# Altium PCB Item.PcbDoc (part 2 of 2)
Units mm, origin at the board's own origin, x right, y up, seen from the top; angles counter-clockwise.
Board outline 56 x 56 mm, 2 copper layers (Top Layer, Bottom Layer); 140 components, 43 nets, 676 pads, 468 vias.
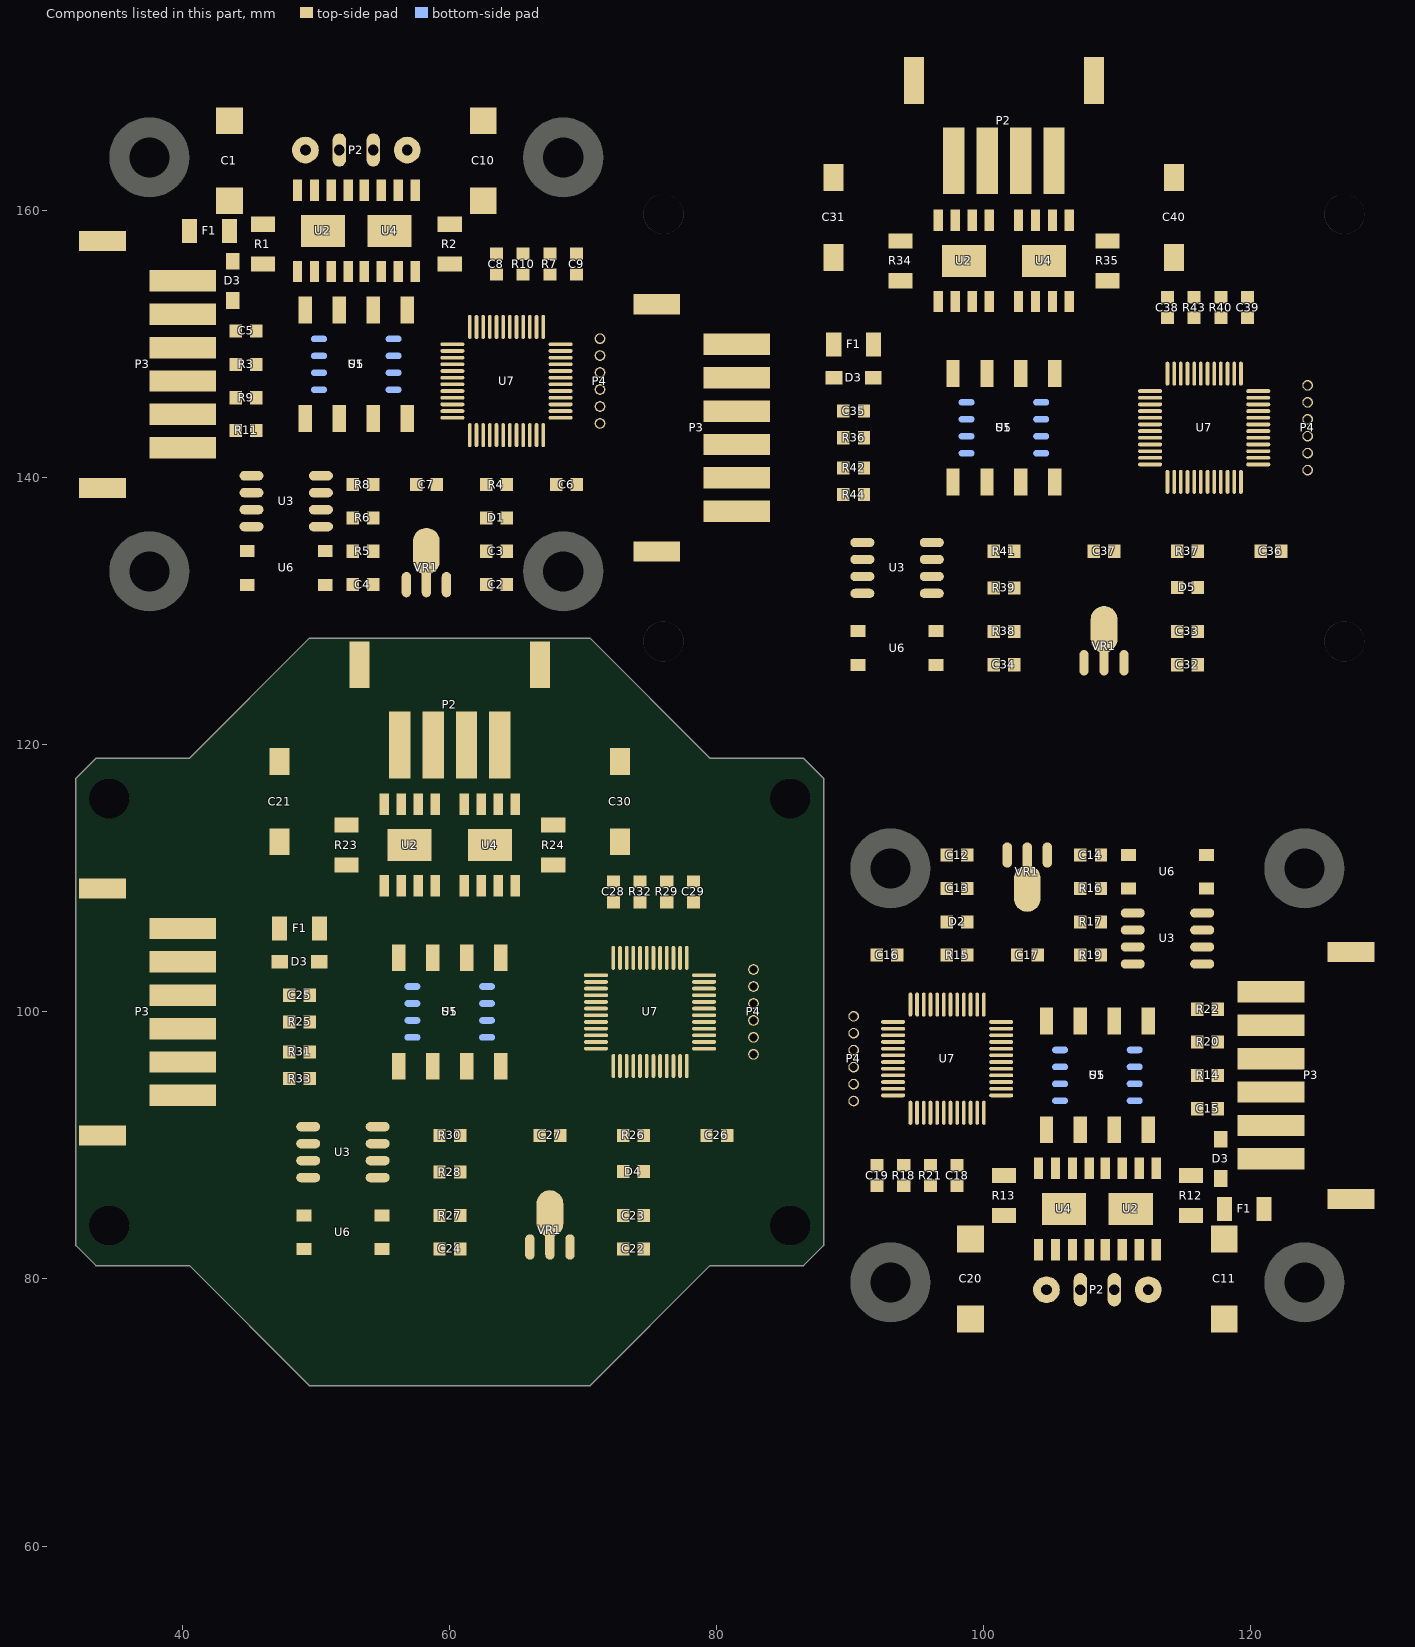
[diagram p2: the components of this part, seen from the top]

## Via types
v1: diameter 0.6, hole 0.3, Top Layer to Bottom Layer, 288 vias
v2: diameter 0.8, hole 0.5, Top Layer to Bottom Layer, 72 vias
v3: diameter 0.5, hole 0.3, Top Layer to Bottom Layer, 60 vias
v4: diameter 0.8, hole 0.4, Top Layer to Bottom Layer, 48 vias

## Nets (pads, with @x,y where several pads share a name; then routed paths per layer and width w, separated by ;. In a path a pad name is that pad's centre, name@x,y a point inside that pad or via, vN(x,y) a via of type N, cw(c..) or ccw(c..) an arc to the next point about the centre after c; other vN are vias at no path point) (continued)
pads on no net: C1.1 C1.2 C2.1 C2.2 C3.1 C3.2 C4.1 C4.2 C5.1 C5.2 C6.1 C6.2 C7.1 C7.2 C8.1 C8.2 C9.1 C9.2 C10.1 C10.2 C11.1 C11.2 C12.1 C12.2 C13.1 C13.2 C14.1 C14.2 C15.1 C15.2 C16.1 C16.2 C17.1 C17.2 C18.1 C18.2 C19.1 C19.2 C20.1 C20.2 C31.1 C31.2 C32.1 C32.2 C33.1 C33.2 C34.1 C34.2 C35.1 C35.2 C36.1 C36.2 C37.1 C37.2 C38.1 C38.2 C39.1 C39.2 C40.1 C40.2 D1.A D1.K D2.A D2.K D3.1@43.75,153.275 D3.1@88.775,147.5 D3.1@117.75,90.475 D3.2@43.75,156.225 D3.2@91.725,147.5 D3.2@117.75,87.525 D5.A D5.K F1.1@40.51,158.5 F1.1@88.76,150 F1.1@120.99,85.25 F1.2@43.49,158.5 F1.2@91.74,150 F1.2@118.01,85.25 P2.1@56.81,164.55 P2.1@97.75,163.75 P2.1@104.69,79.2 P2.2@54.27,164.55 P2.2@100.25,163.75 P2.2@107.23,79.2 P2.3@51.73,164.55 P2.3@102.75,163.75 P2.3@109.77,79.2 P2.4@49.19,164.55 P2.4@105.25,163.75 P2.4@112.31,79.2 P2.@94.75,169.75 P2.@108.25,169.75 P3. P3.1@40,154.75 P3.1@81.5,150 P3.1@121.5,89 P3.2@40,152.25 P3.2@81.5,147.5 P3.2@121.5,91.5 P3.3@40,149.75 P3.3@81.5,145 P3.3@121.5,94 P3.4@40,147.25 P3.4@81.5,142.5 P3.4@121.5,96.5 P3.5@40,144.75 P3.5@81.5,140 P3.5@121.5,99 P3.6@40,142.25 P3.6@81.5,137.5 P3.6@121.5,101.5 P4.1@71.25,150.425 P4.1@90.25,93.325 P4.1@124.25,146.925 P4.2@71.25,149.155 P4.2@90.25,94.595 P4.2@124.25,145.655 P4.3@71.25,147.885 P4.3@90.25,95.865 P4.3@124.25,144.385 P4.4@71.25,146.615 P4.4@90.25,97.135 P4.4@124.25,143.115 P4.5@71.25,145.345 P4.5@90.25,98.405 P4.5@124.25,141.845 P4.6@71.25,144.075 P4.6@90.25,99.675 P4.6@124.25,140.575 R1.1 R1.2 R2.1 R2.2 R3.1 R3.2 R4.1 R4.2 R5.1 R5.2 R6.1 R6.2 R7.1 R7.2 R8.1 R8.2 R9.1 R9.2 R10.1 R10.2 R11.1 R11.2 R12.1 R12.2 R13.1 R13.2 R14.1 R14.2 R15.1 R15.2 R16.1 R16.2 R17.1 R17.2 R18.1 R18.2 R19.1 R19.2 R20.1 R20.2 R21.1 R21.2 R22.1 R22.2 R34.1 R34.2 R35.1 R35.2 R36.1 R36.2 R37.1 R37.2 R38.1 R38.2 R39.1 R39.2 R40.1 R40.2 R41.1 R41.2 R42.1 R42.2 R43.1 R43.2 R44.1 R44.2 S1.1@49.19,144.436 S1.1@97.69,139.686 S1.1@112.31,99.314 S1.2@49.19,152.564 S1.2@97.69,147.814 S1.2@112.31,91.186 S1.3@51.73,144.436 S1.3@100.23,139.686 S1.3@109.77,99.314 S1.4@51.73,152.564 S1.4@100.23,147.814 S1.4@109.77,91.186 S1.5@54.27,144.436 S1.5@102.77,139.686 S1.5@107.23,99.314 S1.6@54.27,152.564 S1.6@102.77,147.814 S1.6@107.23,91.186 S1.7@56.81,144.436 S1.7@104.69,99.314 S1.7@105.31,139.686 S1.8@56.81,152.564 S1.8@104.69,91.186 S1.8@105.31,147.814 U2.1@48.595,155.452 U2.1@96.595,153.202 U2.1@112.905,88.298 U2.2@49.865,155.452 U2.2@97.865,153.202 U2.2@111.635,88.298 U2.3@51.135,155.452 U2.3@99.135,153.202 U2.3@110.365,88.298 U2.4@52.405,155.452 U2.4@100.405,153.202 U2.4@109.095,88.298 U2.5@52.405,161.548 U2.5@100.405,159.298 U2.5@109.095,82.202 U2.6@51.135,161.548 U2.6@99.135,159.298 U2.6@110.365,82.202 U2.7@49.865,161.548 U2.7@97.865,159.298 U2.7@111.635,82.202 U2.8@48.595,161.548 U2.8@96.595,159.298 U2.8@112.905,82.202 U2.9@50.5,158.495 U2.9@98.5,156.245 U2.9@111,85.255 U3.1@45.15,140.155 U3.1@90.9,135.155 U3.1@116.35,103.595 U3.2@45.15,138.885 U3.2@90.9,133.885 U3.2@116.35,104.865 U3.3@45.15,137.615 U3.3@90.9,132.615 U3.3@116.35,106.135 U3.4@45.15,136.345 U3.4@90.9,131.345 U3.4@116.35,107.405 U3.5@50.35,136.345 U3.5@96.1,131.345 U3.5@111.15,107.405 U3.6@50.35,137.615 U3.6@96.1,132.615 U3.6@111.15,106.135 U3.7@50.35,138.885 U3.7@96.1,133.885 U3.7@111.15,104.865 U3.8@50.35,140.155 U3.8@96.1,135.155 U3.8@111.15,103.595 U4.1@53.595,155.452 U4.1@102.595,153.202 U4.1@107.905,88.298 U4.2@54.865,155.452 U4.2@103.865,153.202 U4.2@106.635,88.298 U4.3@56.135,155.452 U4.3@105.135,153.202 U4.3@105.365,88.298 U4.4@57.405,155.452 U4.4@104.095,88.298 U4.4@106.405,153.202 U4.5@57.405,161.548 U4.5@104.095,82.202 U4.5@106.405,159.298 U4.6@56.135,161.548 U4.6@105.135,159.298 U4.6@105.365,82.202 U4.7@54.865,161.548 U4.7@103.865,159.298 U4.7@106.635,82.202 U4.8@53.595,161.548 U4.8@102.595,159.298 U4.8@107.905,82.202 U4.9@55.5,158.495 U4.9@104.5,156.245 U4.9@106,85.255 U5.1@50.206,146.595 U5.1@98.706,141.845 U5.1@111.294,97.155 U5.2@50.206,147.865 U5.2@98.706,143.115 U5.2@111.294,95.885 U5.3 U5.4@50.206,150.405 U5.4@98.706,145.655 U5.4@111.294,93.345 U5.5@55.794,150.405 U5.5@104.294,145.655 U5.5@105.706,93.345 U5.6@55.794,149.135 U5.6@104.294,144.385 U5.6@105.706,94.615 U5.7@55.794,147.865 U5.7@104.294,143.115 U5.7@105.706,95.885 U5.8@55.794,146.595 U5.8@104.294,141.845 U5.8@105.706,97.155 U6.1@44.829,134.52 U6.1@90.579,128.52 U6.1@116.671,109.23 U6.2@44.829,131.98 U6.2@90.579,125.98 U6.2@116.671,111.77 U6.3@50.671,131.98 U6.3@96.421,125.98 U6.3@110.829,111.77 U6.4@50.671,134.52 U6.4@96.421,128.52 U6.4@110.829,109.23 U7.1@60.2,150 U7.1@101.3,93.75 U7.1@112.45,146.5 U7.2 U7.3 U7.4 U7.5 U7.6 U7.7@60.2,147 U7.7@101.3,96.75 U7.7@112.45,143.5 U7.8@60.2,146.5 U7.8@101.3,97.25 U7.8@112.45,143 U7.9@60.2,146 U7.9@101.3,97.75 U7.9@112.45,142.5 U7.10@60.2,145.5 U7.10@101.3,98.25 U7.10@112.45,142 U7.11@60.2,145 U7.11@101.3,98.75 U7.11@112.45,141.5 U7.12@60.2,144.5 U7.12@101.3,99.25 U7.12@112.45,141 U7.13@61.5,143.2 U7.13@100,100.55 U7.13@113.75,139.7 U7.14@62,143.2 U7.14@99.5,100.55 U7.14@114.25,139.7 U7.15@62.5,143.2 U7.15@99,100.55 U7.15@114.75,139.7 U7.16@63,143.2 U7.16@98.5,100.55 U7.16@115.25,139.7 U7.17@63.5,143.2 U7.17@98,100.55 U7.17@115.75,139.7 U7.18@64,143.2 U7.18@97.5,100.55 U7.18@116.25,139.7 U7.19@64.5,143.2 U7.19@97,100.55 U7.19@116.75,139.7 U7.20@65,143.2 U7.20@96.5,100.55 U7.20@117.25,139.7 U7.21 U7.22@66,143.2 U7.22@95.5,100.55 U7.22@118.25,139.7 U7.23@66.5,143.2 U7.23@95,100.55 U7.23@118.75,139.7 U7.24@67,143.2 U7.24@94.5,100.55 U7.24@119.25,139.7 U7.25 U7.26 U7.27 U7.28 U7.29 U7.30@68.3,147 U7.30@93.2,96.75 U7.30@120.55,143.5 U7.31@68.3,147.5 U7.31@93.2,96.25 U7.31@120.55,144 U7.32 U7.33@68.3,148.5 U7.33@93.2,95.25 U7.33@120.55,145 U7.34@68.3,149 U7.34@93.2,94.75 U7.34@120.55,145.5 U7.35@68.3,149.5 U7.35@93.2,94.25 U7.35@120.55,146 U7.36@68.3,150 U7.36@93.2,93.75 U7.36@120.55,146.5 U7.37@67,151.3 U7.37@94.5,92.45 U7.37@119.25,147.8 U7.38 U7.39 U7.40@65.5,151.3 U7.40@96,92.45 U7.40@117.75,147.8 U7.41@65,151.3 U7.41@96.5,92.45 U7.41@117.25,147.8 U7.42@64.5,151.3 U7.42@97,92.45 U7.42@116.75,147.8 U7.43@64,151.3 U7.43@97.5,92.45 U7.43@116.25,147.8 U7.44@63.5,151.3 U7.44@98,92.45 U7.44@115.75,147.8 U7.45@63,151.3 U7.45@98.5,92.45 U7.45@115.25,147.8 U7.46@62.5,151.3 U7.46@99,92.45 U7.46@114.75,147.8 U7.47@62,151.3 U7.47@99.5,92.45 U7.47@114.25,147.8 U7.48@61.5,151.3 U7.48@100,92.45 U7.48@113.75,147.8 VR1.1@56.75,132 VR1.1@104.75,111.75 VR1.1@107.5,126.15 VR1.2@58.25,132.1 VR1.2@58.25,134.5 VR1.2@103.25,109.25 VR1.2@103.25,111.65 VR1.2@109,126.25 VR1.2@109,128.65 VR1.3@59.75,132 VR1.3@101.75,111.75 VR1.3@110.5,126.15
copper on no net: | length 2099.3
  Top Layer w0.2: 51.135,155.452 51.135,154.165 51.35,153.95 57.3,153.95 58.25,153 62.75,153 63,152.75 63,151.3 ; 54.865,155.452 54.865,154.485 55.05,154.3 57.95,154.3 58.75,153.5 63.05,153.5 64,152.55 64,151.3 ; v3(61.75,145) 62.5,144.25 62.5,143.2 ; v3(62.5,145) 63,144.5 63,143.2 ; v3(63.25,145) 63.5,144.75 63.5,143.2 ; 97.5,92.45 97.5,91.2 98.45,90.25 102.75,90.25 103.55,89.45 106.45,89.45 106.635,89.265 106.635,88.298 ; 98,100.55 98,99 v3(98.25,98.75) ; 98.5,92.45 98.5,91 98.75,90.75 103.25,90.75 104.2,89.8 110.15,89.8 110.365,89.585 110.365,88.298 ; 98.5,100.55 98.5,99.25 v3(99,98.75) ; 99,100.55 99,99.5 v3(99.75,98.75) ; v3(114,141.5) 114.75,140.75 114.75,139.7 ; v3(114.75,141.5) 115.25,141 115.25,139.7 ; v3(115.5,141.5) 115.75,141.25 115.75,139.7
  Top Layer w0.25: 47.55,135.5 51.2,135.5 52.61,136.91 52.61,137 ; v1(49,146.6) 48.15,145.75 48.15,142.9 49.2,141.85 61.65,141.85 62,142.2 62,143.2 ; v1(49,147.85) 49.6,147.85 50.1,147.35 50.1,146.4 50.5,146 60.2,146 61.65,146 62,146.35 62,149.5 61.5,150 ; 49.19,144.436 49.19,143.06 50,142.25 59.5,142.25 60.45,143.2 61.5,143.2 ; 50.35,137.615 51.385,137.615 51.385,137.635 51.8,138.05 54.25,138.05 ; 50.35,138.885 51.365,138.885 51.8,138.45 60,138.45 60.25,138.7 60.25,140.65 61.05,141.45 63.425,141.45 64,142.025 64,143.2 64,146.3 66.2,148.5 68.3,148.5 ; 50.35,140.155 52.075,140.155 52.73,139.5 ; 50.671,134.52 52.53,134.52 ; 51.73,144.436 51.73,143.12 52.2,142.65 58.9,142.65 60.2,143.95 60.2,144.5 ; 52.61,134.5 52.61,134.52 ; 52.75,134.59 52.61,134.59 ; 52.8,135.55 52.75,135.5 ; 54.27,137 54.27,138.03 54.25,138.05 ; 54.27,138.47 54.27,139.5 ; 54.27,144.436 54.27,143.28 54.5,143.05 57.4,143.05 59.35,145 60.2,145 ; 56.135,155.452 56.135,156.485 56.4,156.75 57.9,156.75 58.5,156.15 58.5,154.55 59.05,154 63.5,154 64.5,153 64.5,151.3 ; 56.81,144.436 57.636,144.436 58.7,145.5 60.2,145.5 ; v3(58.5,147) 60.2,147 ; 59.75,132 62.73,132 ; 60.2,150 61.5,150 ; 61.5,151.3 61.5,150 ; v1(62.5,150) 62.5,151.3 ; 62.73,134.5 62.73,135.73 62.75,135.75 ; v1(63.5,156.77) 65.5,156.77 ; 64.27,139.5 65.35,139.5 66,140.15 66,143.2 ; 64.5,143.2 64.5,141.8 63.7,141 61.5,141 60.85,140.35 60.85,138.5 60.4,138.05 54.25,138.05 ; 65,143.2 65,141.45 64.15,140.6 61.95,140.6 61.5,140.15 61.5,138.4 60.75,137.65 56.1,137.65 55.25,136.8 55.25,136 55,135.75 53,135.75 52.75,135.5 ; 65,151.3 65,153.75 65.5,154.25 65.5,155.23 ; 65.5,151.3 65.5,152.25 67.5,154.25 67.5,155.23 ; 67,151.3 70.375,151.3 71.25,150.425 ; v1(67.5,156.77) 69.5,156.77 ; 68.3,147 69.5,147 70,146.5 70,145.325 71.25,144.075 ; 68.3,147.5 70,147.5 70.5,147 70.5,146.095 71.25,145.345 ; 68.3,149 69.5,149 70.6,147.9 71.235,147.9 71.25,147.885 ; 68.3,150 69.55,150 70.395,149.155 71.25,149.155 ; 90.25,93.325 91.125,92.45 94.5,92.45 ; 90.25,94.595 91.105,94.595 91.95,93.75 93.2,93.75 ; 90.25,95.865 90.265,95.85 90.9,95.85 92,94.75 93.2,94.75 ; 90.25,98.405 91,97.655 91,96.75 91.5,96.25 93.2,96.25 ; 90.25,99.675 91.5,98.425 91.5,97.25 92,96.75 93.2,96.75 ; 92,86.98 v1(94,86.98) ; 93.2,95.25 95.3,95.25 97.5,97.45 97.5,100.55 97.5,101.725 98.075,102.3 100.45,102.3 101.25,103.1 101.25,105.05 101.5,105.3 109.7,105.3 110.135,104.865 111.15,104.865 ; 93.75,130.05 100.05,130.05 100.73,130.73 100.73,131.75 ; 94,88.52 94,89.5 96,91.5 96,92.45 ; 95.5,100.55 95.5,103.6 96.15,104.25 97.23,104.25 ; 96,86.98 v1(98,86.98) ; 96,88.52 96,89.5 96.5,90 96.5,92.45 ; 96.1,131.345 96.155,131.4 ; 96.1,132.615 99.015,132.615 99.4,133 102.25,133 ; 96.1,133.885 98.865,133.885 99.35,133.4 102.25,133.4 ; 96.1,135.155 98.845,135.155 99.5,134.5 100.73,134.5 ; 96.421,128.52 100.71,128.52 100.73,128.5 100.73,129.93 ; 96.5,100.55 96.5,102.3 97.35,103.15 99.55,103.15 100,103.6 100,105.35 100.75,106.1 105.4,106.1 106.25,106.95 106.25,107.75 106.5,108 108.5,108 108.75,108.25 ; 97,92.45 97,90.75 98,89.75 102.45,89.75 103,89.2 103,87.6 103.6,87 105.1,87 105.365,87.265 105.365,88.298 ; 97,100.55 97,101.95 97.8,102.75 100,102.75 100.65,103.4 100.65,105.25 101.1,105.7 107.25,105.7 ; v1@97.485,143.115 98.285,143.115 98.579,142.821 98.579,141.721 99.1,141.2 109.7,141.2 111,142.5 112.45,142.5 114.3,142.5 114.8,143 114.8,145.25 113.55,146.5 112.45,146.5 112.45,147.55 112.7,147.8 113.75,147.8 ; v1(97.5,141.85) 97,141.85 96.5,141.35 96.5,138.05 97.75,136.8 113.55,136.8 114.25,137.5 114.25,139.7 ; 97.69,139.686 97.69,138.26 98.75,137.2 112.65,137.2 113.75,138.3 113.75,139.7 ; 97.865,153.202 97.865,150.985 99.55,149.3 114.2,149.3 114.75,148.75 114.75,147.8 ; 98.75,108 98.77,108.02 98.77,109.25 ; 98.77,111.75 101.75,111.75 ; 99,92.45 v1(99,93.75) ; 99.135,153.202 99.135,150.615 100,149.75 114.5,149.75 115.25,149 115.25,147.8 ; 99.5,100.55 99.5,101.55 99.85,101.9 112.3,101.9 113.35,100.85 113.35,98 v1(112.5,97.15) ; 100,92.45 100,93.75 ; 100,100.55 101.05,100.55 102,101.5 111.5,101.5 112.31,100.69 112.31,99.314 ; 100.23,139.686 100.23,138.12 100.75,137.6 110.35,137.6 112.45,139.7 112.45,141 ; 100.75,129.95 100.73,129.93 ; 101.3,93.75 100,93.75 ; 101.3,96.75 v3(103,96.75) ; 101.3,98.25 102.8,98.25 103.864,99.314 104.69,99.314 ; 101.3,98.75 102.15,98.75 104.1,100.7 107,100.7 107.23,100.47 107.23,99.314 ; 101.3,99.25 101.3,99.8 102.6,101.1 109.3,101.1 109.77,100.63 109.77,99.314 ; 102.27,131.75 102.27,132.98 102.25,133 ; 102.27,134.5 102.27,133.42 102.25,133.4 ; 102.77,139.686 102.77,138.28 103.05,138 108.05,138 111.55,141.5 112.45,141.5 ; 103.865,153.202 103.865,150.985 104.6,150.25 114.8,150.25 116.25,148.8 116.25,147.8 ; 105.135,153.202 105.135,151.215 105.6,150.75 115.15,150.75 116.75,149.15 116.75,147.8 ; 105.31,139.686 108.936,139.686 111.25,142 112.45,142 ; 107.23,104.25 107.23,105.28 ; 107.23,106.75 107.23,105.72 107.25,105.7 ; 108.7,108.2 108.75,108.25 ; 108.75,109.16 108.89,109.16 ; 108.77,104.25 109.425,103.595 111.15,103.595 ; 108.89,106.75 108.89,106.84 110.3,108.25 113.95,108.25 ; 108.89,109.25 108.89,109.23 ; v3(109.75,142.25) 111,143.5 112.45,143.5 ; 110.829,109.23 108.97,109.23 ; 111.15,106.135 110.115,106.135 110.115,106.115 109.7,105.7 107.25,105.7 ; v1(112.5,95.9) 111.9,95.9 111.4,96.4 111.4,97.35 111,97.75 101.3,97.75 99.85,97.75 99.5,97.4 99.5,94.25 100,93.75 ; 115.75,151.98 117.25,150.48 117.25,147.8 ; 116.02,134.5 117,134.5 118.25,135.75 118.25,139.7 ; 116.75,139.7 116.75,137.35 115.4,136 106.75,136 103.75,133 102.25,133 ; 117.25,139.7 117.25,136.9 115.95,135.6 107.25,135.6 103.9,132.25 103.9,130.7 103.45,130.25 101.05,130.25 100.73,129.93 ; 117.75,147.8 117.75,151.95 ; 119.25,147.8 122.45,147.8 123.325,146.925 124.25,146.925 ; 120.55,143.5 122,143.5 122.75,142.75 122.75,141.15 123.325,140.575 124.25,140.575 ; 120.55,144 122.25,144 123.25,143 123.25,142.25 123.655,141.845 124.25,141.845 ; 120.55,145 117.95,145 116.25,143.3 116.25,139.7 116.25,137.55 115.1,136.4 106.15,136.4 103.15,133.4 102.25,133.4 ; 120.55,145.5 122.15,145.5 123.265,144.385 124.25,144.385 ; 120.55,146.5 122.3,146.5 123.145,145.655 124.25,145.655 ; 52.53,134.52 52.61,134.52 ; 52.53,134.52 52.6,134.59 52.61,134.59 ; 52.61,134.52 52.61,134.59 ; 52.61,134.52 52.68,134.52 52.68,134.59 52.75,134.66 52.75,135.5 ; 108.75,108.25 108.75,109.09 108.82,109.16 108.82,109.23 108.89,109.23 ; 108.89,109.16 108.9,109.16 108.97,109.23 ; 108.89,109.16 108.89,109.23 ; 108.89,109.23 108.97,109.23
  Top Layer w0.3: 40,142.25 40,140.75 42.25,138.5 42.25,132.55 44.05,130.75 46.25,130.75 47,131.5 47,136.35 ; 40,144.75 43.7,144.75 43.98,144.47 43.98,143.55 ; 40,147.25 43.65,147.25 43.98,146.92 43.98,146 ; 40,149.75 43.75,149.75 43.98,149.52 43.98,148.5 ; 40.35,142.15 40.9,141.6 ; 44.829,131.98 42.75,134.059 42.75,141 44,142.25 45.25,142.25 45.52,142.52 45.52,143.55 ; 44.829,134.52 47,134.52 ; 45.15,136.345 46.995,136.345 47,136.35 ; 45.15,137.615 44.135,137.615 43.25,138.5 43.25,140.75 44.1,141.6 45.7,141.6 46.55,142.45 46.55,145.85 46.4,146 45.52,146 ; 45.15,138.885 44.115,138.885 43.75,139.25 43.75,140.45 44.3,141 46.25,141 47.05,141.8 47.05,148.15 46.7,148.5 45.52,148.5 ; 45.15,140.155 46.345,140.155 47,139.5 47,136.35 ; 45.52,151 47.3,151 47.55,150.75 47.55,147.85 ; v1(46,158.85) 46,159.8 46.45,160.25 49.5,160.25 49.865,160.615 49.865,161.548 v1(49.865,161.25) ; v1(49,147.85) 47.55,147.85 ; 50.35,140.155 47.55,140.155 ; 54.27,132 54.27,130.97 53.8,130.5 48.5,130.5 47.55,131.45 47.55,135.5 47.55,140.155 ; v1(54.865,161.25) 54.865,161.548 54.865,160.385 55,160.25 59.65,160.25 60,159.9 v1(60,158.85) ; 62.73,137 62.73,139.5 ; 67.98,142.5 71.3,142.5 72.15,143.35 72.15,148.9 71.895,149.155 71.25,149.155 ; 81.5,137.5 86,137.5 87,136.5 87,126 88.25,124.75 91.75,124.75 92.75,125.75 92.75,128.5 ; 81.5,140 87.25,140 88.5,138.75 89.48,138.75 ; 81.5,142.5 86.65,142.5 88.4,140.75 89.48,140.75 ; 81.5,145 86.5,145 88.5,143 89.48,143 ; 90.25,94.595 89.605,94.595 89.35,94.85 89.35,100.4 90.2,101.25 93.52,101.25 ; 90.579,125.98 88.37,125.98 87.75,126.6 87.75,136.5 88.25,137 90.6,137 91.02,137.42 91.02,138.75 ; 90.579,128.52 92.73,128.52 92.75,128.5 ; 90.9,131.345 92.745,131.345 92.75,131.35 ; 90.9,132.615 89.035,132.615 88.5,133.15 88.5,136 89,136.5 91.5,136.5 92.5,137.5 92.5,140.25 92,140.75 91.02,140.75 ; 90.9,133.885 89.565,133.885 89.25,134.2 89.25,135.6 89.65,136 92.5,136 93.25,136.75 93.25,142.25 92.5,143 91.02,143 ; 90.9,135.155 92.095,135.155 92.75,134.5 92.75,131.35 ; 98.77,104.25 98.77,106.75 ; 100.405,153.202 100.405,154.205 100.7,154.5 107.1,154.5 108.85,152.75 110.25,152.75 112.5,155 117.15,155 117.75,154.4 117.75,153.64 117.87,153.52 119.75,153.52 ; v1(101.5,84.9) 101.5,83.85 101.85,83.5 106.5,83.5 106.635,83.365 106.635,82.202 v1(106.635,82.5) ; 106.405,153.202 106.405,152.245 106.6,152.05 110.55,152.05 112.02,153.52 113.75,153.52 115.75,153.52 ; 107.23,111.75 107.23,112.78 107.7,113.25 113,113.25 113.95,112.3 113.95,108.25 113.95,103.595 ; 111.15,103.595 113.95,103.595 ; v1(111.635,82.5) 111.635,82.202 111.635,83.135 112,83.5 115.05,83.5 115.5,83.95 v1(115.5,84.9) ; v1(112.5,95.9) 113.95,95.9 ; 114.48,128.5 114.48,130.23 114.5,130.25 ; 114.48,131.75 114.48,134.5 ; 114.5,109.23 116.671,109.23 ; 115.98,92.75 114.2,92.75 113.95,93 113.95,95.9 ; 115.98,95.25 114.8,95.25 114.45,95.6 114.45,101.95 115.25,102.75 117.2,102.75 117.75,103.3 117.75,104.5 117.385,104.865 116.35,104.865 ; 115.98,97.75 115.1,97.75 114.95,97.9 114.95,101.3 115.8,102.15 117.4,102.15 118.25,103 118.25,105.25 117.365,106.135 116.35,106.135 ; 115.98,100.2 115.98,101.23 116.25,101.5 117.5,101.5 118.75,102.75 118.75,109.691 116.671,111.77 ; 116.35,103.595 115.155,103.595 114.5,104.25 114.5,107.4 ; 116.35,107.405 114.505,107.405 114.5,107.4 ; 117.52,95.25 117.52,94.23 117.75,94 121.5,94 ; 117.52,97.75 117.52,96.83 117.85,96.5 121.5,96.5 ; 117.52,100.2 117.52,99.28 117.8,99 121.5,99 ; 119.25,139.7 121.2,139.7 122.27,138.63 122.27,134.5 ; 120.6,102.15 121.15,101.6 ; 121.5,101.5 121.5,103 119.25,105.25 119.25,111.2 117.45,113 115.25,113 114.5,112.25 114.5,107.4 ; 47.55,140.155 47.55,147.85 ; 92.75,128.5 92.75,131.35 ; 113.95,95.9 113.95,103.595
  Top Layer w0.4: v1@93.75,157.55 95.05,157.55 95.5,158 97.5,158 97.865,158.365 v1@97.865,159.298 ; v1(103.865,159.298) 103.865,158.185 104.05,158 107.2,158 107.6,157.6
  Top Layer w0.43: 107.6,157.6 v1(109.25,157.6)
  Top Layer w0.5: 56.75,132 54.27,132 54.27,134.5 55.25,134.5 56,135.25 56,136.2 56.9,137.1 60.3,137.1 61.65,135.75 62.75,135.75 65.4,135.75 67.98,138.33 67.98,139.5 67.98,142.5 67.23,143.25 67.2,143.25 ; 91.02,145 93.5,145 ; 94.3,100.5 94.27,100.5 93.52,101.25 93.52,104.25 93.52,105.42 96.1,108 98.75,108 99.85,108 101.2,106.65 104.6,106.65 105.5,107.55 105.5,108.5 106.25,109.25 107.23,109.25 107.23,111.75 104.75,111.75 ; 110.5,126.15 110.65,126 114.48,126
  Top Layer w0.53: 93.5,145 94.355,144.145 94.355,135.155 ; 94.355,143.115 v1@97.485,143.115 ; 96.1,135.155 94.355,135.155 ; 102.27,128.5 102.27,126 ; 102.3,128.5 102.39,128.5 103.45,128.5 107.6,132.65 110.8,132.65 113.2,130.25 114.5,130.25 120.3,130.25 122.27,132.22 122.27,134.5 124.5,134.5 126.25,136.25 126.25,145.05 125.645,145.655 124.25,145.655 ; 107.5,126.15 107.35,126 102.27,126 ; 94.355,135.155 93.75,134.55 93.75,125.25 94.5,124.5 101.55,124.5 102.27,125.22 102.27,126
  Top Layer w0.6: 43.5,160.75 38.8,160.75 37.25,159.2 37.25,157.25 36,156 36,141.35 41.25,136.1 41.25,132.1 43.6,129.75 59.25,129.75 59.75,130.25 59.75,131.6 ; 101.75,112.15 101.75,113.5 102.25,114 117.9,114 120.25,111.65 120.25,107.65 125.5,102.4 125.5,87.75 124.25,86.5 124.25,84.55 122.7,83 118,83
  Top Layer w0.8: 48.595,161.548 48.595,163.955 49.19,164.55 ; 51.135,161.548 51.135,163.955 51.73,164.55 ; 53.595,161.548 53.595,162.495 54.27,163.17 54.27,164.55 ; 56.135,161.548 56.135,163.875 56.81,164.55 ; 96.595,159.298 96.595,160.045 97.75,161.2 97.75,163.75 ; 99.135,159.044 99.135,159.298 99.135,160.235 100.23,161.33 100.23,161.88 ; 102.595,159.298 102.595,160.345 102.75,160.5 102.75,163.75 ; 104.69,79.2 105.365,79.875 105.365,82.202 ; 105.135,159.298 105.135,160.635 105.25,160.75 105.25,163.75 ; 107.23,79.2 107.23,80.58 107.905,81.255 107.905,82.202 ; 109.77,79.2 110.365,79.795 110.365,82.202 ; 112.31,79.2 112.905,79.795 112.905,82.202
  Top Layer w0.9: 52.405,161.548 52.405,162.805 53,163.4 53,167 ; 108.5,76.75 108.5,80.35 109.095,80.945 109.095,82.202
  Top Layer w1: 59.125,162.825 60.95,161 62.5,161 ; 91.55,153.35 80.1,153.35 77.25,150.5 77.25,136.75 80.25,133.75 80.25,130.5 87.5,123.25 109.8,123.25 110.5,123.95 110.5,126.15 ; 99,82.75 100.55,82.75 102.375,80.925 ; v1@100.4,159.303 v1(100.405,159.298) 100.405,158.805 100.41,158.8 v1(101.05,158.8) v1(101.05,159.3) v1(101.05,159.8) v1(100.4,159.8) v1@100.4,159.303
  Top Layer w1.5: 43.49,158.5 43.49,160.74 43.5,160.75 43.5,156.475 43.75,156.225 ; 43.5,161 45.95,163.45 45.95,165.85 47.1,167 53,167 58.75,167 60.1,165.65 60.1,163.65 57.998,161.548 ; 103.502,82.202 101.4,80.1 101.4,78.1 102.75,76.75 108.5,76.75 114.4,76.75 115.55,77.9 115.55,80.3 118,82.75 ; 117.75,87.525 118,87.275 118,83 118.01,83.01 118.01,85.25
  Top Layer w2: 40,154.75 40,157.99 40.51,158.5 ; 43.5,160.75 43.5,161 ; 91.725,147.5 91.74,147.515 91.74,150 91.75,150.01 91.75,151.75 91.5,152 91.5,159.75 88.75,162.5 88.75,165 93.4,169.65 109.8,169.65 114.25,165.2 114.25,162.5 112.45,160.7 108.5,160.7 107.2,159.4 ; 118,82.75 118,83 ; 120.99,85.25 121.5,85.76 121.5,89
  Top Layer w2.5: 81.5,150 88.76,150
  Bottom Layer w0.25: v1(49,147.85) v1@49.015,147.865 ; v1@49.005,146.595 v1(49,146.6) 50.201,146.6 50.206,146.595 ; v3(49.85,154.5) 50.4,153.95 58.3,153.95 59.25,153 61.75,153 62.5,152.25 v1(62.5,150) ; v3(52.4,154.5) 65.23,154.5 v1(67.5,156.77) ; v1(57.405,155.452) 62.182,155.452 v1(63.5,156.77) ; v3(58.5,147) 59.02,146.48 v3(59.02,139.5) ; v1(94,86.98) 96.27,89.25 v3(109.1,89.25) ; v1(97.5,141.85) 98.574,141.85 98.579,141.845 ; v1(98,86.98) 99.318,88.298 v1(104.095,88.298) ; 98.706,143.115 97.515,143.115 v1(97.5,143.1) 97.5,145.35 97.805,145.655 98.706,145.655 ; v1(99,93.75) 99,91.5 99.75,90.75 102.25,90.75 103.2,89.8 111.1,89.8 v3(111.65,89.25) ; v3(102.48,104.25) 102.48,97.27 v3(103,96.75) ; v3(109.75,142.25) 109.77,142.23 v3(109.77,134.5) ; 111.294,97.155 111.299,97.15 v1(112.5,97.15) v1@112.495,97.155 ; v1@112.485,95.885 v1(112.5,95.9)
  Bottom Layer w0.3: v1(49,147.85) 49,150.25 49.155,150.405 50.206,150.405 ; v1@49.015,147.865 50.206,147.865 ; 55.794,147.865 58.885,147.865 v3(61.75,145) ; 55.794,149.135 58.765,149.135 62.5,145.4 v3(62.5,145) ; 55.794,150.405 58.545,150.405 63.25,145.7 v3(63.25,145) ; v3(98.25,98.75) 98.25,98.05 102.955,93.345 105.706,93.345 ; v3(99,98.75) 99,98.35 102.735,94.615 105.706,94.615 ; v3(99.75,98.75) 102.615,95.885 105.706,95.885 ; 104.294,143.115 112.385,143.115 v3(114,141.5) ; 104.294,144.385 113.315,144.385 114.75,142.95 v3(114.75,141.5) ; 104.294,145.655 114.395,145.655 115.5,144.55 v3(115.5,141.5) ; 111.294,93.345 112.345,93.345 112.5,93.5 v1(112.5,95.9) ; 111.294,95.885 v1@112.485,95.885
  Bottom Layer w1.3: 46,159.5 48.048,161.548 v1@49.865,161.548 ; v1@54.865,161.548 58.202,161.548 60,159.75 ; 101.5,84 103.298,82.202 v1@106.635,82.202 ; v1@111.635,82.202 113.452,82.202 115.5,84.25
  Bottom Layer w1.8: v1(46,158.85) 46,159.5 ; v1(60,158.85) 60,159.75 ; 101.5,84 v1(101.5,84.9) ; 115.5,84.25 v1(115.5,84.9)
  Bottom Layer w2: v3(92,150) 97.85,150 101.5,153.65 101.5,158.75 v1@100.952,159.298 ; v1@93.655,157.505 95.45,159.3 v1(97.85,159.3) ; v1(103.865,159.298) 107.552,159.298 v1@109.325,157.525
  other v1: 98.65,78.7 118.35,79.3 99.4,80.45 97.55,80.6 111.65,81.85 106.65,81.9 126.15,84 100.9,84.9 102.1,84.9 114.9,84.9 116.1,84.9 127.5,89.1 105.9,90.85 111.05,90.9 119.5,91.5 120.25,91.5 121,91.5 121.75,91.5 122.5,91.5 123.25,91.5 114,91.6 103.15,91.7 128.3,91.75 102.1,92.4 128.5,93.4 96.65,94.45 97.6,95.65 128.4,96.1 95.4,96.85 95.9,98.45 128.55,98.65 111,99.25 106,99.8 108.5,99.9 92.35,100.15 128.65,100.4 128.5,102.5 106.45,102.65 109.5,102.7 95.7,106.15 93.05,106.35 113.05,106.5 112.2,110.5 110.3,110.55 99.75,113.9 94.3,118.3 107.15,119.2 93.25,119.9 96.9,120.45 105,120.45 111.5,120.45 100.1,120.75 90.35,120.8 113.1,122.85 116.6,123.65 107,124.45 105.1,124.75 81,125.85 98.75,126.15 98.6,127.65 121.7,129.2 61.75,129.85 99.2,131.35 122.8,131.45 98.05,131.55 125.3,132.75 51.2,133.2 49.3,133.25 126.1,134.05 126.65,135.25 119,135.6 103.85,136.1 98.85,136.15 101.85,136.15 124.2,136.25 96.3,136.55 120.4,136.75 75.1,137.15 48.45,137.25 68.45,137.4 119.35,137.45 65.8,137.6 120.8,137.85 124.05,137.85 75.45,140.5 52,141.05 55.05,141.1 33,141.25 117.4,142.1 32.85,143.35 118.4,143.55 69.15,143.6 53,143.85 55.5,143.95 75.2,144.25 50.5,144.5 116.25,144.65 114.15,144.7 32.95,145.1 65.6,145.3 115.95,146.1 107.25,146.35 66.1,146.9 33.1,147.65 75.2,147.7 111.7,147.85 107.8,147.95 109.7,148.05 63.9,148.1 120.65,148.85 64.85,149.3 125.8,149.65 121,149.85 122.9,150.15 33,150.35 101.4,150.9 59.4,151.35 102.65,151.35 75.5,151.65 33.2,152 58.35,152.05 47.5,152.15 38.25,152.25 39,152.25 39.75,152.25 40.5,152.25 41.25,152.25 42,152.25 125.7,152.55 123.6,152.65 93.6,152.75 50.45,152.85 55.6,152.9 122.9,154.35 34,154.65 107.7,155.55 121.2,156.05 79.55,156.1 83.7,156.2 85.55,157.2 93.15,157.6 93.75,157.6 94.35,157.6 108.65,157.6 109.85,157.6 119.7,157.95 97.85,158.8 100.4,158.8 103.85,158.8 45.4,158.85 46.6,158.85 59.4,158.85 60.6,158.85 83.45,159.45 35.35,159.75 97.85,159.8 103.85,159.8 94,160.35 54.85,161.85 49.85,161.9 63.95,163.15 110.2,163.15 62.1,163.3 92.65,164.05 108.45,164.1 93.9,164.4 111.05,164.4 43.15,164.45 62.85,165.05
  other v2: 104.857,84.488 106,84.488 107.143,84.488 109.857,84.488 111,84.488 112.143,84.488 104.857,85.25 106,85.25 107.143,85.25 109.857,85.25 111,85.25 112.143,85.25 104.857,86.012 106,86.012 107.143,86.012 109.857,86.012 111,86.012 112.143,86.012 97.357,155.488 98.5,155.488 99.643,155.488 103.357,155.488 104.5,155.488 105.643,155.488 97.357,156.25 98.5,156.25 99.643,156.25 103.357,156.25 104.5,156.25 105.643,156.25 97.357,157.012 98.5,157.012 99.643,157.012 103.357,157.012 104.5,157.012 105.643,157.012 49.357,157.738 50.5,157.738 51.643,157.738 54.357,157.738 55.5,157.738 56.643,157.738 49.357,158.5 50.5,158.5 51.643,158.5 54.357,158.5 55.5,158.5 56.643,158.5 49.357,159.262 50.5,159.262 51.643,159.262 54.357,159.262 55.5,159.262 56.643,159.262
  other v3: 95.8,84.1 93.45,84.2 90.35,86.7 114.35,89.2 115.75,89.65 90.6,90.25 115.9,90.65 92.7,90.9 91.9,102.2 90.35,102.35 90.9,106.35 96.3,114 65.2,129.75 70.6,137.4 71.15,141.4 69.6,141.55 91.5,149.5 92,149.5 91.5,150 91.5,150.5 92,150.5 68.8,152.85 45.6,153.1 70.9,153.5 45.75,154.1 47.15,154.55 71.15,157.05 68.05,159.55 65.7,159.65
  other v4: 102.75,108.4 103.75,108.4 102.75,109.25 103.75,109.25 102.75,110.1 103.75,110.1 108.5,127.8 109.5,127.8 108.5,128.65 109.5,128.65 108.5,129.5 109.5,129.5 57.75,133.65 58.75,133.65 57.75,134.5 58.75,134.5 57.75,135.35 58.75,135.35 79.5,147.1 80.3,147.1 81.1,147.1 81.9,147.1 82.7,147.1 83.5,147.1 79.5,147.9 80.3,147.9 81.1,147.9 81.9,147.9 82.7,147.9 83.5,147.9

## Polygon pours and split planes (outlines as drawn)
no net on Bottom Layer "Top Layer-No Net" (solid, remove dead copper, pour order 5): 129.5,75.75 129.5,114.75 89,114.75 89,75.75
no net on Bottom Layer "Top Layer-No Net" (solid, remove dead copper, pour order 5): 32,168 32,129 72.5,129 72.5,168
no net on Bottom Layer "Top Layer-No Net" (solid, remove dead copper, pour order 5): 73.5,171.75 73.5,115.75 129.5,115.75 129.5,171.75
GND on Bottom Layer "Top Layer-No Net" (solid, remove dead copper, pour order 5): 32,128 32,72 88,72 88,128
no net on Top Layer "Top Layer-No Net" (solid, remove dead copper, pour order 2): 129.5,75.75 129.5,114.75 89,114.75 88.95,114.7 88.95,75.75 89.05,75.75 89,75.75
no net on Top Layer "Top Layer-No Net" (solid, remove dead copper, pour order 2): 32,168 32,129 72.5,129 72.55,129.05 72.55,168 72.45,168 72.5,168
no net on Top Layer "Top Layer-No Net" (solid, remove dead copper, pour order 7): 73.5,171.75 73.5,115.75 129.5,115.75 129.5,171.75
GND on Top Layer "Top Layer-No Net" (solid, remove dead copper, pour order 7): 32,128 32,72 88,72 88,128

## Keep-outs
Keep-Out Layer:
  lines w0.1: 32,117.5 32,82.5 33.5,81 40.5,81 49.5,72 70.5,72 79.5,81 86.5,81 88,82.5 89,82.5 ; 32,117.5 32,117.5 ; 32,117.5 33.5,119 40.5,119 49.5,128 49.5,129 37.5,129 cw(c37.5,133) 33.5,133 33.5,138.25 32,138.25 32,158.75 33.5,158.75 33.5,164 cw(c37.5,164) 37.5,168 68.5,168 cw(c68.5,164) 72.5,164 72.5,161.25 ; 68.5,128 70.5,128 ; 68.5,128 68.5,128 ; 68.5,128 68.5,129 ccw(c68.5,133) 72.5,133 73.5,133 ; 70.5,128 70.5,128 ; 70.5,128 79.5,119 86.5,119 88,117.5 88,110.75 ; 72.5,161.25 72.5,161.25 ; 72.5,161.25 73.5,161.25 ; 73.5,133 73.5,126.25 75,124.75 82,124.75 91,115.75 93,115.75 ; 73.5,133 73.5,133 ; 73.5,161.25 75,162.75 82,162.75 91,171.75 112,171.75 121,162.75 128,162.75 129.5,161.25 129.5,126.25 128,124.75 121,124.75 112,115.75 112,114.75 ; 73.5,161.25 73.5,161.25 ; 88,110.75 88,110.75 ; 88,110.75 89,110.75 cw(c93,110.75) 93,114.75 93,115.75 ; 89,79.75 ccw(c93,79.75) 93,75.75 124,75.75 ccw(c124,79.75) 128,79.75 128,85 129.5,85 129.5,105.5 128,105.5 128,110.75 ccw(c124,110.75) 124,114.75 ; 89,79.75 89,79.75 ; 89,79.75 89,82.5 ; 89,82.5 89,82.5 ; 93,115.75 93,115.75 ; 112,114.75 124,114.75 ; 112,114.75 112,114.75 ; 124,114.75 124,114.75 ; 53.65,80.2 53.65,80.2 ; 95.15,123.95 95.15,123.95

## Silkscreen, mask and mechanical layers (free items; w line width, h text height)
Top Overlay:
  circle w0.1: c124,110.75 r3
  circle w0.1: c124,79.75 r3
  circle w0.1: c93,79.75 r3
  circle w0.1: c93,110.75 r3
  circle w0.1: c68.5,133 r3
  circle w0.1: c68.5,164 r3
  circle w0.1: c37.5,164 r3
  circle w0.1: c37.5,133 r3
  lines w0.1: 32,88.25 34.5,88.25 41.799,80.951 49,73.75 71,73.75 79.049,81.799 86.25,89 86.25,99.4 86.25,111 79.049,118.201 71,126.25 59.4,126.25 49,126.25 40.951,118.201 34.5,111.75 32,111.75 ; 43.8,78.95 43.85,78.9 ; 49.5,128 68.5,128 ; 49.5,128.5 68.5,128.5 ; 49.5,129 68.5,129 ; 72.5,133 72.5,161.25 ; 73,133 73,161.25 ; 73.5,132 76,132 83.299,124.701 90.5,117.5 112.5,117.5 120.549,125.549 127.75,132.75 127.75,143.15 127.75,154.75 120.549,161.951 112.5,170 100.9,170 90.5,170 82.451,161.951 76,155.5 73.5,155.5 ; 73.5,133 73.5,161.25 ; 85.3,122.7 85.35,122.65 ; 88,110.75 88,82.5 ; 88.5,82.5 88.5,110.75 ; 89,82.5 89,110.75 ; 93,114.75 112,114.75 ; 93,115.25 112,115.25 ; 93,115.75 112,115.75 ; 129.5,56.5 129.6,56.4 ; 68.5,128.5 68.5,128.5 ; 68.5,129 68.5,129 ; 73,161.25 73,161.25 ; 88,82.5 88,82.5 ; 89,110.75 89,110.75 ; 112,114.75 112,114.75 ; 112,115.25 112,115.25 ; 112,115.75 112,115.75 ; 35.7,141.2 40.95,135.95 40.95,132 43.5,129.45 47.75,129.45 47.75,148.8 46.8,149.75 42.75,149.75 42.75,151 35.7,151 35.7,141.2 ; 36.45,93.3 36.45,102.5 46.6,102.5 46.6,100.25 53.65,100.25 53.65,80.2 46.3,80.2 39.45,87.05 39.45,90.3 36.45,93.3 ; 77.95,137.05 80.95,134.05 80.95,130.8 87.8,123.95 95.15,123.95 95.15,144 88.1,144 88.1,146.25 77.95,146.25 77.95,137.05 ; 113.75,94.95 114.7,94 118.75,94 118.75,92.75 125.8,92.75 125.8,102.55 120.55,107.8 120.55,111.75 118,114.3 113.75,114.3 113.75,94.95
  text "CK" at 69.4,150.1 h1
  text "VCC" at 84.2,149.25 h1.5
  text "3.3" at 69.45,148.8 h1
  text "DO" at 69.45,147.55 h1
  text "GND" at 84.25,146.7 h1.5
  text "CK" at 125.1,146.45 h1.5
  text "GD" at 69.45,146.3 h1
  text "3.3" at 125.15,145.15 h1.5
  text "RX" at 69.45,145 h1
  text "CLK" at 84.25,144.25 h1.5
  text "DO" at 125.15,143.9 h1.5
  text "TX" at 69.45,143.8 h1
  text "校正" at 55.8,142.7 h1.5
  text "闭环" at 53.55,142.65 h1.5
  text "细分1" at 47.65,142.6 h1.5
  text "细分2" at 50.55,142.6 h1.5
  text "GD" at 125.15,142.6 h1.5
  text "DIR" at 84.25,141.75 h1.5
  text "RX" at 125.2,141.3 h1.5
  text "TX" at 125.15,140.05 h1.5
  text "ENA" at 84.25,139.25 h1.5
  text "校正" at 104.3,137.95 h1.5
  text "闭环" at 101.95,137.9 h1.5
  text "细分1" at 96,137.85 h1.5
  text "细分2" at 98.95,137.85 h1.5
  text "COM" at 84.25,136.75 h1.5
  text "VCC" at 42.7,105.5 h1.5
  text "GND" at 42.75,102.95 h1.5
  text "CK" at 83.6,102.7 h1.5
  text "3.3" at 83.65,101.4 h1.5
  text "细分2" at 110.95,101.15 h1.5 r180
  text "细分1" at 113.85,101.15 h1.5 r180
  text "闭环" at 107.95,101.1 h1.5 r180
  text "校正" at 105.7,101.05 h1.5 r180
  text "CLK" at 42.75,100.5 h1.5
  text "DO" at 83.65,100.15 h1.5
  text "TX" at 92.05,99.95 h1 r180
  text "GD" at 83.65,98.85 h1.5
  text "RX" at 92.05,98.75 h1 r180
  text "DIR" at 42.75,98 h1.5
  text "RX" at 83.7,97.55 h1.5
  text "GD" at 92.05,97.45 h1 r180
  text "TX" at 83.65,96.3 h1.5
  text "DO" at 92.05,96.2 h1 r180
  text "ENA" at 42.75,95.5 h1.5
  text "3.3" at 92.05,94.95 h1 r180
  text "校正" at 62.8,94.2 h1.5
  text "闭环" at 60.45,94.15 h1.5
  text "细分1" at 54.5,94.1 h1.5
  text "细分2" at 57.45,94.1 h1.5
  text "CK" at 92.1,93.65 h1 r180
  text "COM" at 42.75,93 h1.5
Top Solder:
  lines w0.4: 52,165 52,165 ; 109.5,78.75 109.5,78.75
Bottom Solder:
  region: 113.75,87 103,87 103,83.45 113.75,83.45
  region: 105.5,111 101,111 101,107.5 105.5,107.5
  rectangle: 56,132.75 60.5,136.25
  rectangle: 47.75,156.75 58.5,160.3
  rectangle: 96.75,154.95 100.25,157.55
  rectangle: 102.75,154.95 106.25,157.55
  rectangle: 106.7,125 111.25,130.75
  rectangle: 65.2,81.25 69.75,87
  rectangle: 61.25,111.2 64.75,113.8
  rectangle: 55.25,111.2 58.75,113.8